# Altium PCB PCB1.PcbDoc
Units mm, origin at the board's own origin, x right, y up, seen from the top; angles counter-clockwise.
Board outline 41.76 x 58.17 mm, 2 copper layers (Top Layer, Bottom Layer); 63 components, 63 nets, 347 pads, 0 vias.
Unrouted connection lines stored in the file: 79.
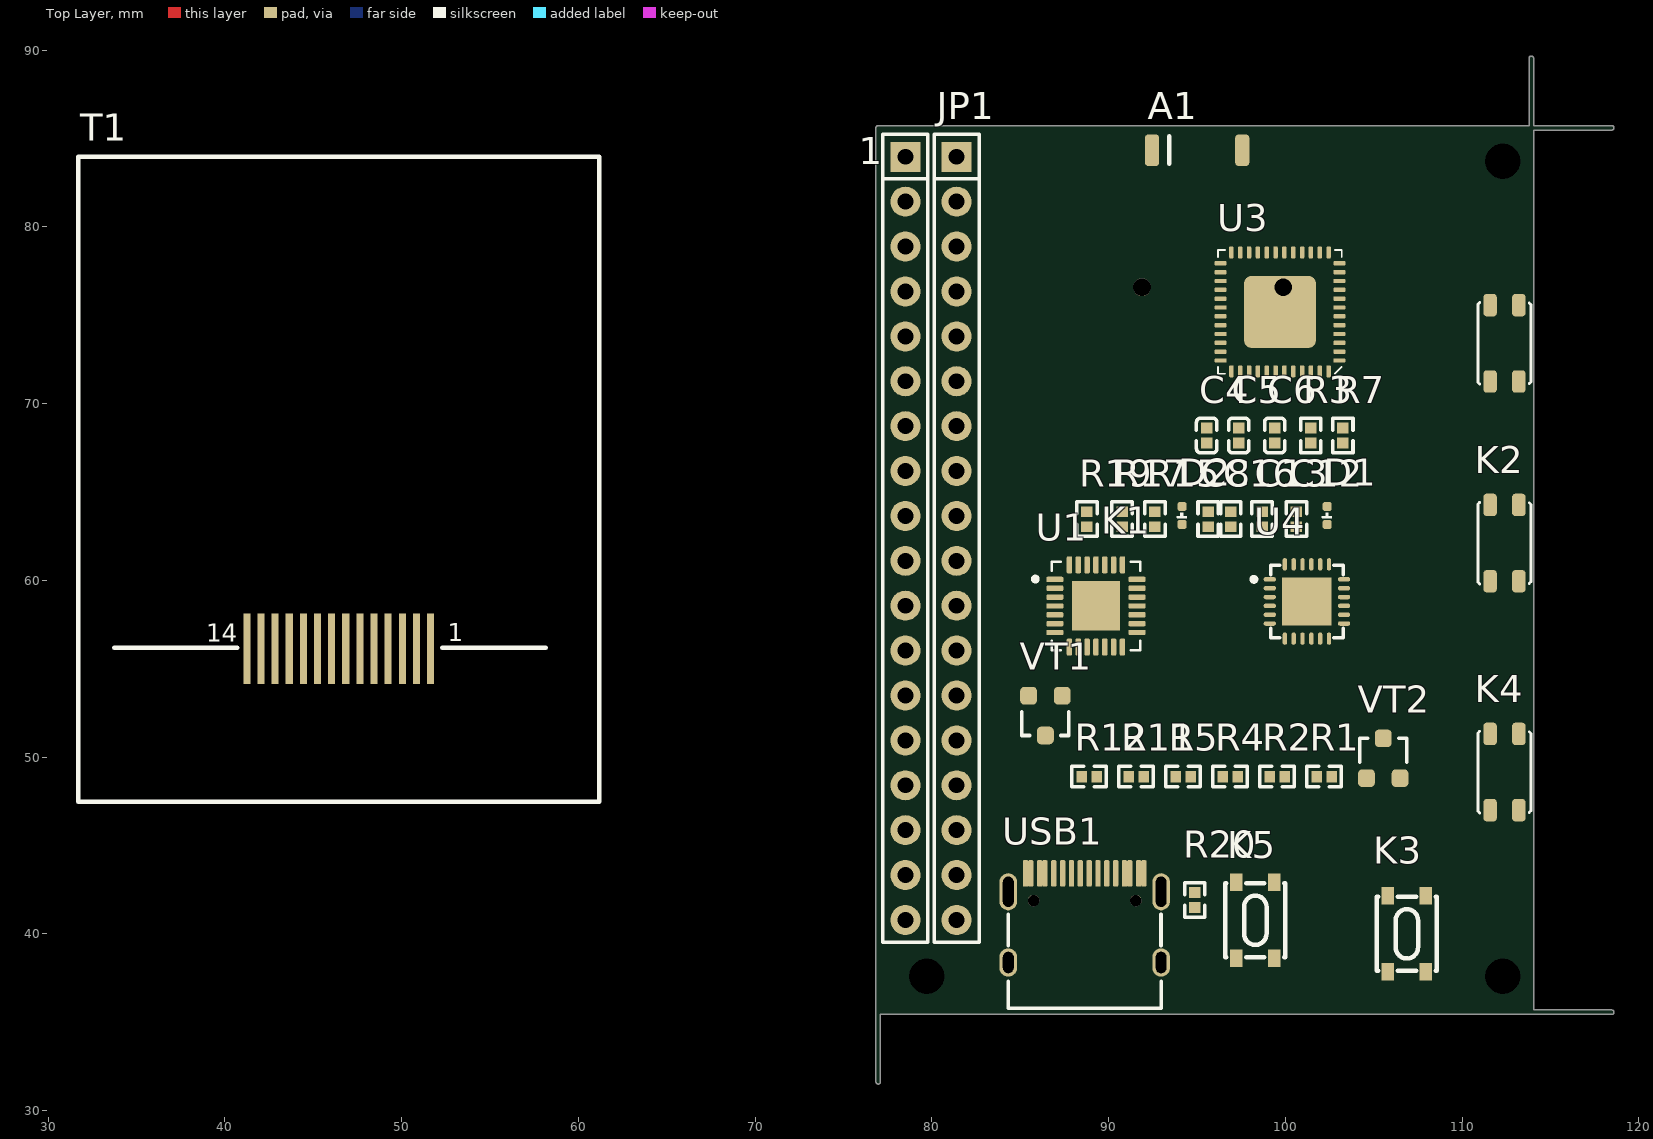
[diagram p0: Top Layer view]
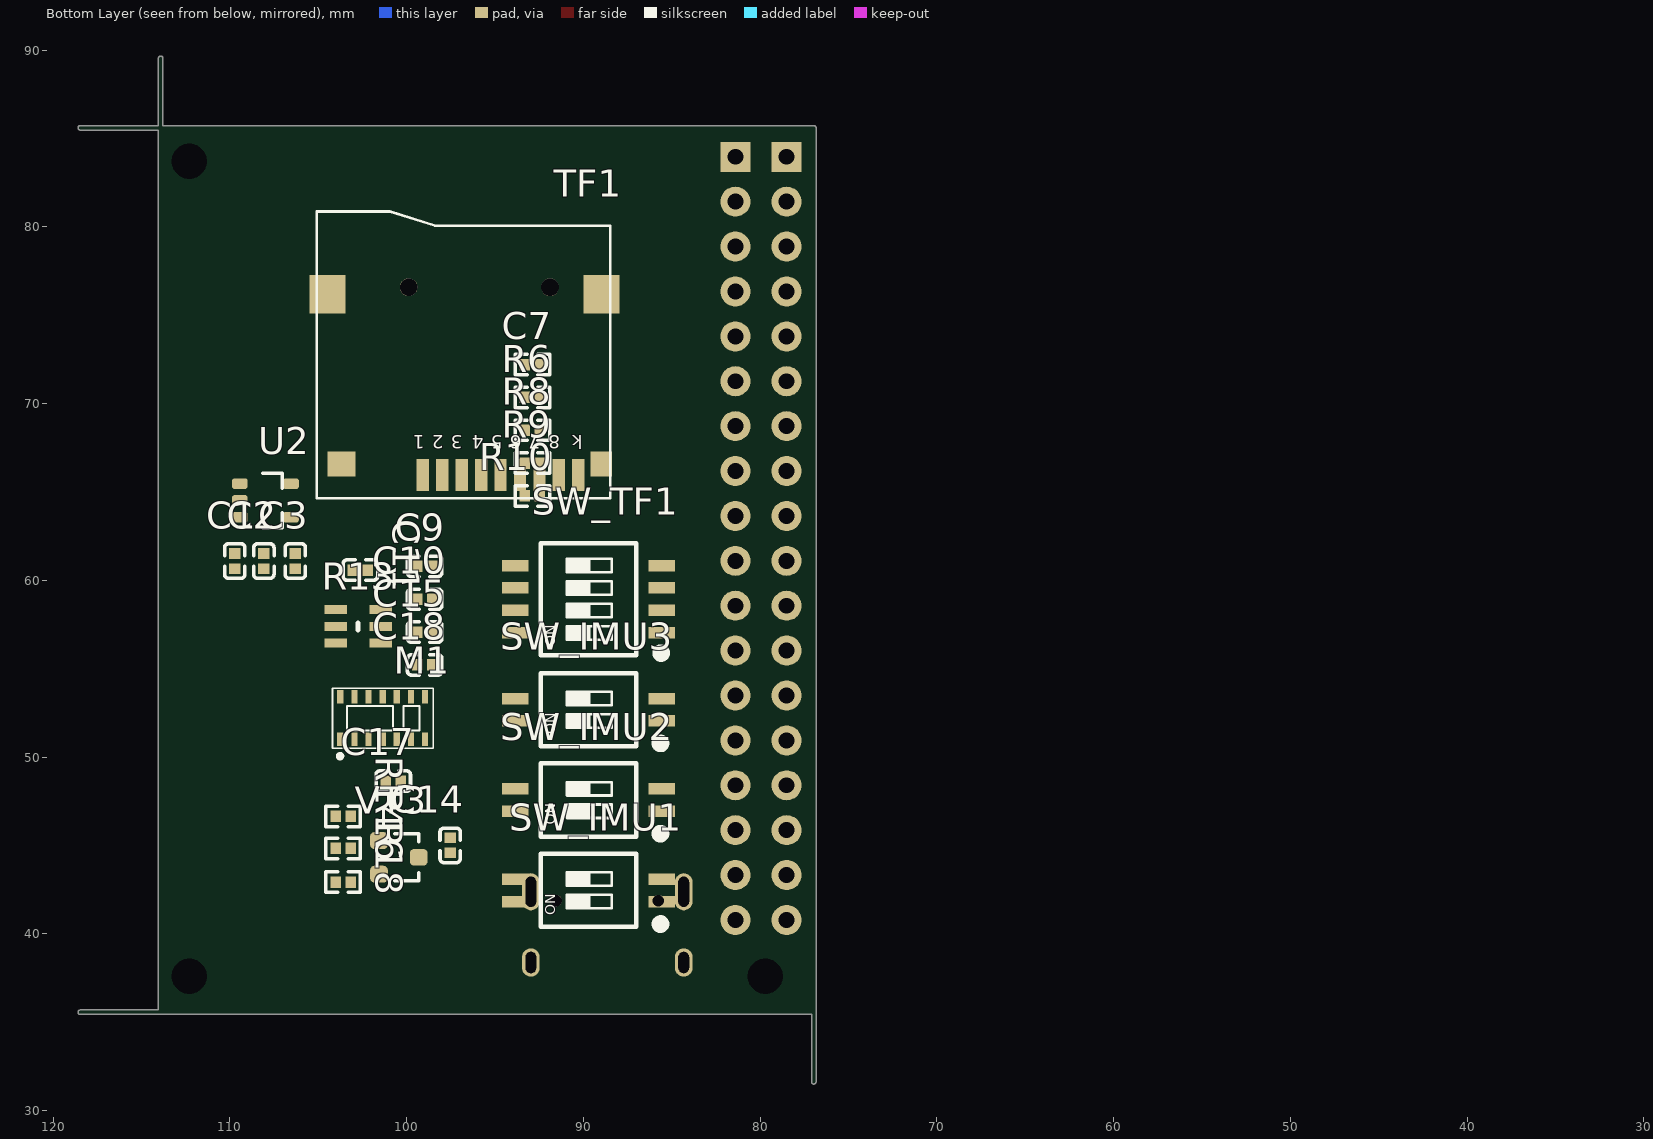
[diagram p1: Bottom Layer view, seen from below]

## Layer stack, top to bottom
Top Solder: solder mask 0.0102, Solder Resist, Dk 3.5
Top Layer: signal copper 0.0356
Dielectric 1: dielectric 0.32, FR-4, Dk 4.8
Bottom Layer: signal copper 0.0356
Bottom Solder: solder mask 0.0102, Solder Resist, Dk 3.5

## Board outline
76.835,31.623 ccw(c76.962,31.623) 77.089,31.623 77.089,35.433 118.465,35.433 ccw(c118.465,35.56) 118.592,35.56 ccw(c118.465,35.56) 118.465,35.687 114.046,35.687 114.046,85.471 118.465,85.471 ccw(c118.465,85.598) 118.592,85.598 ccw(c118.465,85.598) 118.465,85.725 114.046,85.725 114.046,89.535 ccw(c113.919,89.535) 113.792,89.535 113.792,85.725 76.962,85.725 ccw(c76.962,85.598) 76.835,85.598

## Design rules (kind name [scope] priority, off if disabled: settings)
Clearance [All] p1: gap=0.1 ignorepadtopadclearanceinfootprint=FALSE
PolygonConnect [All] p1: connectstyle=Relief reliefconductorwidth=0.254 reliefentries=4 polygonreliefangle="90 Angle" airgapwidth=0.254
RoutingVias [All] p1: holewidth=0.711 width=1.27 viastyle="Through Hole" minholewidth=0.711 minwidth=1.27 maxholewidth=0.711 maxwidth=1.27
SolderMaskExpansion [All] p1: expansion=0.102 istentingtop=FALSE
Width [All] p1: maxlimit=0.254 minlimit=0.254 preferedwidth=0.254
30 further rules are at their usual default settings.

## Components (designator, comment, footprint, x,y, rotation, side; value= is the part's Value field where it differs from the comment)
1 "HDR-1X18" HDR2.54-LI-18P 78.5,62.37 r270 top
A1 "RAINSUN" ANT-Rainsun-AN5120 94.996,84.328 r0 top
C1 "0.1uF" 0402_C 109.727,61.087 r90 bottom value=0.1u
C2 "10uF" 0402_C 108.077,61.087 r90 bottom value=0.1u
C3 "10nF" 0402_C 106.299,61.087 r90 bottom value=0.1u
C4 "10nF" 0402_C 95.545,68.191 r270 top value=0.1u
C5 "0.1uF" 0402_C 97.364,68.191 r270 top value=0.1u
C6 "0.1uF" 0402_C 99.398,68.191 r270 top value=0.1u
C7 "100nf" 0402_R 92.889,72.202 r0 bottom
C8 "10nF" 0402_R 95.631,63.456 r270 top value=0.1u
C9 "10uF (106) 10% 10V" 0402_C 98.977,60.786 r0 bottom
C10 "1uF (105) 10% 50V" 0402_C 98.977,58.928 r180 bottom
C11 "10uF (106) 10% 10V" 0402_C 102.616,60.579 r180 bottom
C12 "0.1uF" 0402_R 100.628,63.456 r270 top value=0.1u
C13 "2.2nF" 0402_R 98.679,63.456 r270 top value=0.1u
C14 "100nF (104) 10% 50V" 0402_C 97.536,45.002 r90 bottom
C15 "100nF (104) 10% 50V" 0402_C 98.977,57.07 r180 bottom
C16 "0.1uF" 0402_R 96.912,63.456 r270 top value=0.1u
C17 "100nF (104) 10% 50V" 0402_C 100.755,48.641 r180 bottom
C18 "10uF (106) 10% 10V" 0402_C 98.977,55.212 r0 bottom
D1 "color?" LED_0402_RED 102.362,63.667 r90 top
D2 "color?" LED_0402_RED 94.155,63.667 r90 top
JP1 "HDR-1X18" HDR2.54-LI-18P 81.4,62.37 r270 top
K1 "TACT 4P" ButtonTACT_3.5*3.55_90 112.395,73.406 r270 top value=3.4x3.5
K2 "TACT 4P" ButtonTACT_3.5*3.55_90 112.395,62.103 r270 top value=3.4x3.5
K3 "TACT 4P" SW-SMD_4P-L4.2-W3.3-P2.15-LS5.1 106.875,39.996 r90 top value=3.4x3.5
K4 "TACT 4P" ButtonTACT_3.5*3.55_90 112.395,49.149 r270 top value=3.4x3.5
K5 "TACT 4P" SW-SMD_4P-L4.2-W3.3-P2.15-LS5.1 98.298,40.767 r90 top value=3.4x3.5
M1 "MAX30102" MAX30102 101.346,51.936 r90 bottom
R1 "10K" 0402_R 102.19,48.895 r180 top value=22R
R2 "12K" 0402_R 99.532,48.895 r0 top value=22R
R3 "0R" 0402_R 101.432,68.191 r270 top value=22R
R4 "200R" 0402_R 96.874,48.895 r0 top value=22R
R5 "12K" 0402_R 94.216,48.895 r0 top value=22R
R6 "10K" 0402_R 92.889,70.344 r0 bottom
R7 "10K" 0402_R 103.251,68.191 r270 top value=22R
R8 "10K" 0402_R 92.889,68.486 r0 bottom
R9 "10K" 0402_R 92.889,66.628 r0 bottom
R10 "10K" 0402_R 92.889,64.77 r0 bottom
R11 "5.1K" 0402_R 91.558,48.895 r180 top value=22R
R12 "5.1K" 0402_R 88.9,48.895 r180 top value=22R
R13 "RCWL_9183" RCWL-9183 102.743,57.328 r270 bottom
R14 "4.7K" 0402_R 103.589,46.642 r0 bottom value=22R
R15 "10R" 0402_R 92.616,63.456 r90 top
R16 "4.7K" 0402_R 103.589,44.831 r0 bottom value=22R
R17 "1K" 0402_R 90.758,63.456 r90 top value=22R
R18 "4.7K" 0402_R 103.589,42.926 r0 bottom value=22R
R19 "1K" 0402_R 88.773,63.456 r90 top value=22R
R20 "1K" 0402_R 94.869,41.91 r90 top value=22R
SW_IMU1 "SW-2P" "SW1.27 SMD-2P" 89.703,42.455 r90 bottom
SW_IMU2 "SW-2P" "SW1.27 SMD-2P" 89.703,47.565 r90 bottom
SW_IMU3 "SW-2P" "SW1.27 SMD-2P" 89.703,52.675 r90 bottom
SW_TF1 "SW-4P" "SW1.27 SMD-4P" 89.703,58.928 r90 bottom
T1 "TFT177PF254" "TFT144PF254 - duplicate" 31.688,47.468 r0 top
TF1 "TF_Card" "Micro SD" 95.885,76.581 r0 bottom
U1 "CP2102" QFN-28 89.281,58.547 r0 top value=Value
U2 "LP2992 3V3" SOT23-5 107.936,64.517 r180 bottom
U3 "ESP32_SIP" QFN-48_7X7 99.695,75.184 r180 top
U4 "MPU6050" QFN-24 101.219,58.801 r0 top
USB1 "Type-C" Type-C-TOP 88.646,40.894 r270 top
VT1 "S8050" SMT_TRIODE_NPN 86.421,52.342 r180 top
VT2 "S8050" SMT_TRIODE_NPN 105.537,49.929 r0 top
VT3 "S8050" SMT_TRIODE_NPN 100.439,44.323 r270 bottom

## Footprints (in the part's own frame and the unit in brackets; to place one, negate y for a bottom-side part, rotate by r counter-clockwise, add the part's x,y. Pads: shape width x height; smd on the part's side, far side on the other; paste and mask are expansions set on the pad)
0402_C [mm]
  rect 0.6x0.65 smd mask+0.051: 1(-0.425,0) 2(0.425,0)
  silkscreen extent -0.98,-0.58 0.98,0.58, body extent -0.48,-0.3 0.52,0.3, height 0.2
0402_R [mm]
  rect 0.6x0.65 smd mask+0.051: 1(-0.425,0) 2(0.425,0)
  silkscreen extent -0.97,-0.57 0.98,0.58, body extent -0.57,-0.27 0.58,0.28, height 0.41
ANT-Rainsun-AN5120 [mm]
  rrect50% 0.8x1.8 smd: 1(-2.54,0) ""(2.563,0)
  silkscreen extent -1.57,-0.76 -1.57,0.79, body extent -2.57,-0.91 2.54,0.94, height 1.32
ButtonTACT_3.5*3.55_90 [mil]
  rrect50% 50x30 smd: 1(-85,32) 2(-85,-32) 3(85,32) 4(85,-32)
  silkscreen extent -91,-59 91,59, body extent -90,-55 91,85, height 56
HDR2.54-LI-18P [mm] "排针，18脚"
  rect 1.7x1.7 hole 0.9: 1(-21.59,0)
  round 1.7 hole 0.9: 2(-19.05,0) 3(-16.51,0) 4(-13.97,0) 5(-11.43,0) 6(-8.89,0) 7(-6.35,0) 8(-3.81,0) 9(-1.27,0) 10(1.27,0) 11(3.81,0) 12(6.35,0) 13(8.89,0) 14(11.43,0) 15(13.97,0) 16(16.51,0) 17(19.05,0) 18(21.59,0)
  silkscreen extent -22.86,-1.27 22.86,1.27, body extent -22.86,-1.27 22.86,1.27, height 2.54
LED_0402_RED [mil]
  rrect50% 20x20 smd: 1(-20,0) 2(20,0)
  silkscreen extent -6,-10 6,10, body extent -20,-10 20,10, height 18
MAX30102 [mm]
  rect 0.75x0.35 smd: 1(-0.93,2.408) 2(-0.93,1.608) 3(-0.93,0.808) 4(-0.93,0.008) 5(-0.93,-0.792) 6(-0.93,-1.592) 7(-0.93,-2.392) 8(1.47,-2.392) 9(1.47,-1.592) 10(1.47,-0.792) 11(1.47,0.008) 12(1.47,0.808) 13(1.47,1.608) 14(1.47,2.408)
  silkscreen extent -2.01,-2.85 1.96,2.85
"Micro SD" [mm] "淘宝ID:黄晶宝石"
  round 1 hole 1 unplated: 0(-4,0) 0(4,0)
  rect 0.7x1.8 smd: 1(3.2,10.627) 2(2.1,10.627) 3(1,10.627) 4(-0.1,10.627) 5(-1.2,10.627) 6(-2.3,10.627) 7(-3.4,10.627) 8(-4.5,10.627) 9(-5.6,10.627)
  rect 2.032x2.2 smd: 10(-6.9,0.4) 10(8.6,0.4)
  rect 1.2x1.4 smd: 10(-6.9,10)
  rect 1.6x1.4 smd: 10(7.8,10)
  silkscreen extent -7.4,-4.28 9.2,11.94, body extent -7.05,-3.87 8.95,11.38, height 2
QFN-24 [mm]
  oval 0.7x0.25 smd: 1(-2.1,1.25) 2(-2.1,0.75) 3(-2.1,0.25) 4(-2.1,-0.25) 5(-2.1,-0.75) 6(-2.1,-1.25) 13(2.1,-1.25) 14(2.1,-0.75) 15(2.1,-0.25) 16(2.1,0.25) 17(2.1,0.75) 18(2.1,1.25)
  oval 0.25x0.7 smd: 7(-1.25,-2.1) 8(-0.75,-2.1) 9(-0.25,-2.1) 10(0.25,-2.1) 11(0.75,-2.1) 12(1.25,-2.1) 19(1.25,2.1) 20(0.75,2.1) 21(0.25,2.1) 22(-0.25,2.1) 23(-0.75,2.1) 24(-1.25,2.1)
  rect 2.8x2.7 smd: ""(0,0)
  silkscreen extent -3.12,-2.05 2.05,2.05, body extent -2.02,-2.02 2.02,2.02, height 0.95
QFN-28 [mil]
  rrect50% 38x12 smd mask+5: 1(-91.5,59.06) 2(-91.5,39.37) 3(-91.5,19.69) 4(-91.5,0) 5(-91.5,-19.68) 6(-91.5,-39.37) 7(-91.5,-59.05) 15(91.5,-59.05) 16(91.5,-39.37) 17(91.5,-19.68) 18(91.5,0) 19(91.5,19.69) 20(91.5,39.37) 21(91.5,59.06)
  rrect50% 12x38 smd mask+5: 8(-59.06,-91.5) 9(-39.37,-91.5) 10(-19.68,-91.5) 11(0,-91.5) 12(19.69,-91.5) 13(39.37,-91.5) 14(59.06,-91.5) 22(59.06,91.5) 23(39.37,91.5) 24(19.69,91.5) 25(0,91.5) 26(-19.68,91.5) 27(-39.37,91.5) 28(-59.06,91.5)
  rect 106.3x110.24 smd: 29(0,0)
  silkscreen extent -140,-98 98,98, body extent -98,-98 98,98, height 35
QFN-48_7X7 [mm]
  rrect50% 0.675x0.25 smd: 1(-3.363,2.75) 2(-3.363,2.25) 3(-3.363,1.75) 4(-3.363,1.25) 5(-3.363,0.75) 6(-3.363,0.25) 7(-3.363,-0.25) 8(-3.363,-0.75) 9(-3.363,-1.25) 10(-3.363,-1.75) 11(-3.363,-2.25) 12(-3.363,-2.75) 25(3.363,-2.75) 26(3.363,-2.25) 27(3.363,-1.75) 28(3.363,-1.25) 29(3.363,-0.75) 30(3.363,-0.25) 31(3.363,0.25) 32(3.363,0.75) 33(3.363,1.25) 34(3.363,1.75) 35(3.363,2.25) 36(3.363,2.75)
  rrect50% 0.25x0.675 smd: 13(-2.75,-3.363) 14(-2.25,-3.363) 15(-1.75,-3.363) 16(-1.25,-3.363) 17(-0.75,-3.363) 18(-0.25,-3.363) 19(0.25,-3.363) 20(0.75,-3.363) 21(1.25,-3.363) 22(1.75,-3.363) 23(2.25,-3.363) 24(2.75,-3.363) 37(2.75,3.363) 38(2.25,3.363) 39(1.75,3.363) 40(1.25,3.363) 41(0.75,3.363) 42(0.25,3.363) 43(-0.25,3.363) 44(-0.75,3.363) 45(-1.25,3.363) 46(-1.75,3.363) 47(-2.25,3.363) 48(-2.75,3.363)
  rrect20% 4.064x4.064 smd: 49(0,0)
  silkscreen extent -3.5,-3.5 3.5,3.5, body extent -3.5,-3.5 3.5,3.5, height 1
RCWL-9183 [mil]
  rect 20x50 smd: 1(-40,-50) 2(-2,-50) 3(35,-50) 4(35,50) 5(-2,50) 6(-40,50)
  silkscreen extent -10,0 5,0
SMT_TRIODE_NPN [mm]
  rrect50% 0.95x1 smd: 1(-0.95,-1.125) 2(0.95,-1.125) 3(0,1.125)
  silkscreen extent -1.33,-0.22 1.33,1.13, body extent -1.45,-1.4 1.45,1.4, height 1.3
SOT23-5 [mm]
  rrect50% 0.889x0.6 smd: 1(-1.5,0.95) 2(-1.5,0) 3(-1.5,-0.95) 4(1.396,-0.95) 5(1.396,0.95)
  silkscreen extent -0.2,-1.55 0.9,1.55, body extent -1.48,-1.45 1.32,1.45, height 1.2
"SW1.27 SMD-2P" [mm] "长：4.14mm，宽：5.4mm，高：2.3mm"
  rect 0.65x1.5 smd: 1(-0.635,-4.15) 2(0.635,-4.15) 3(0.635,4.15) 4(-0.635,4.15)
  silkscreen extent -2.15,-4.31 2.07,2.7, body extent -2.07,-4.35 2.07,4.35, height 2.35
"SW1.27 SMD-4P" [mm] "长：6.68mm，宽：5.4mm，高：2.3mm"
  rect 0.65x1.5 smd: 1(-1.905,-4.15) 2(-0.635,-4.15) 3(0.635,-4.15) 4(1.905,-4.15) 5(1.905,4.15) 6(0.635,4.15) 7(-0.635,4.15) 8(-1.905,4.15)
  silkscreen extent -3.3,-4.35 3.17,2.7, body extent -3.34,-4.35 3.34,4.35, height 2.35
SW-SMD_4P-L4.2-W3.3-P2.15-LS5.1 [mm]
  rect 1x0.7 smd: 1(-2.15,1.075) 2(2.15,1.075) 3(-2.15,-1.075) 4(2.15,-1.075)
  silkscreen extent -2.1,-1.7 2.1,1.7
"TFT144PF254 - duplicate" [mm]
  rect 0.4x4 smd: 1(19.95,8.666) 2(19.15,8.666) 3(18.35,8.666) 4(17.55,8.666) 5(16.75,8.666) 6(15.95,8.666) 7(15.15,8.666) 8(14.35,8.666) 9(13.55,8.666) 10(12.75,8.666) 11(11.95,8.666) 12(11.15,8.666) 13(10.35,8.666) 14(9.55,8.666)
  silkscreen extent 0,0 29.5,36.5
Type-C-TOP [mm]
  round 0.65 hole 0.65: 0(-0.98,2.89) 0(-0.98,-2.89)
  oval 1.6x1 hole 0.6 slot 1.2 at 0 deg: 1(2.52,4.325) 2(2.52,-4.325)
  oval 2.1x1 hole 0.6 slot 1.7 at 0 deg: 3(-1.48,-4.325) 4(-1.48,4.325)
  rrect50% 1.5x0.3 smd: A1(-2.52,-3.35) A4(-2.52,-2.55) A5(-2.52,-1.25) A6(-2.52,-0.25) A7(-2.52,0.25) A8(-2.52,1.25) A9(-2.52,2.55) A12(-2.52,3.35) B1(-2.52,3.05) B4(-2.52,2.25) B5(-2.52,1.75) B6(-2.52,0.75) B7(-2.52,-0.75) B8(-2.52,-1.75) B9(-2.52,-2.25) B12(-2.52,-3.05)
  silkscreen extent -0.22,-4.33 5.12,4.33, body extent -2.57,-4.48 5.18,4.48, height 3.26

## Part data
1 JP1: library part "Header 18", "18P接插件", BOM名称=18P接插件, 封装库来自淘宝卖家 ID：黄晶宝石=其他店铺购入均为盗版假冒封装库, 联系卖家，免费查找封装=唯一出售店铺网址https://shop463601444.taobao.com
A1: library part ANT-Rainsun-AP5120
C1 C2 C3 C8 C12 C13 C16: library part 电容-0402, "Capacitor"
C4: library part 电容-0402_2, "Capacitor"
C5 C6: library part 电容-0402_1, "Capacitor"
C7: library part C, "Capacitor", BOM名称=无极性贴片电容, 封装库来自淘宝卖家ID：黄晶宝石=其他店铺购入均为盗版假冒封装库，请立即申请退款, 联系卖家，免费查找封装=唯一出售店铺网址https://shop463601444.taobao.com
C9 C11 C18: library part "0603 10uF (106) 10% 10V", "贴片电容", Package=0603, SuppliersPartNumber=C19702, ComponentLink1Description=供应商链接, ComponentLink1URL=http://www.szlcsc.com/product/details_20411.html, Supplier=LC
C10: library part "0603 1uF (105) 10% 50V", "贴片电容", Package=0603, SuppliersPartNumber=C15849, ComponentLink1Description=供应商链接, ComponentLink1URL=http://www.szlcsc.com/product/details_16531.html, Supplier=LC
C14 C15 C17: library part "0603 100nF (104) 10% 50V", "贴片电容", Package=0603, SuppliersPartNumber=C14663, ComponentLink1Description=供应商链接, ComponentLink1URL=http://www.szlcsc.com/product/details_15331.html, Supplier=LC
D1 D2: library part LED_0402, "LED", Type=0402
K1 K2 K3 K4 K5: library part ButtonTACT, "Button", Type="TACT 4P"
R1 R7: library part 电阻-0402_1, "Resistor"
R2 R5 R17 R19 R20: library part 电阻-0402, "Resistor"
R3: library part 电阻-0402_3, "Resistor"
R4: library part 电阻-0402_2, "Resistor"
R6 R8 R9 R10: library part R, "贴片电阻", BOM名称=贴片电阻, 封装库来自淘宝卖家ID：黄晶宝石=其他店铺购入均为盗版假冒封装库，请立即申请退款, 联系卖家，免费查找封装=唯一出售店铺网址https://shop463601444.taobao.com
R11 R12: library part 电阻-0402_7, "Resistor"
R14 R16 R18: library part 电阻-0402_6, "Resistor"
R15: library part 电阻-0402_9, "Resistor"
SW_IMU1 SW_IMU2 SW_IMU3: "2路编码开关", BOM名称=2路编码开关, 联系卖家，免费查找封装=唯一出售店铺网址https://shop463601444.taobao.com
SW_TF1: "4路编码开关", BOM名称=4路编码开关, 联系卖家，免费查找封装=唯一出售店铺网址https://shop463601444.taobao.com
TF1: "TF卡座", BOM名称=TF卡座, 联系卖家，免费技术支持=唯一出售店铺网址https://shop463601444.taobao.com
U1: "USB转TTL", MFG #1="SILICON LABS", PART DESC="SINGLE-CHIP USB TO UART BRIDGE, QFN28, RoHS.", PART NUMBER=CP2102, RefDes=RefDes, Type=DEV
U2: library part LP2992, "LDO"
U3: library part ESP32-PICO
U4: "六轴传感器"
USB1: library part USB-Type-C-TOP
VT1 VT2: library part SMT_TRIODE_NPN, "Surface mount NPN transistor, package SOT-23"
VT3: library part 65k5, "Surface mount NPN transistor, package SOT-23"

## Free pads (board coordinates)
  round 1.524 hole 2: 2(79.7,37.6) 2(112.3,37.6) 2(112.3,83.7)

## Nets (pads, with @x,y where several pads share a name; then routed paths per layer and width w, separated by ;. In a path a pad name is that pad's centre, name@x,y a point inside that pad or via, vN(x,y) a via of type N, cw(c..) or ccw(c..) an arc to the next point about the centre after c; other vN are vias at no path point)
3V3: C7.2 R6.2 R8.2 R9.2 R10.2 TF1.4
3V3A: A1.1 C4.2 C5.2 R3.1 R7.2 U3.1 U3.2 U3.3 U3.4 U3.19 U3.37 U3.43 U3.47
CP_Rx: U1.25 U3.41
CP_Tx: R4.2 U3.40
DTR: R2.2 U1.28 VT2.2
EN: C6.2 R7.1 R20.2 U3.9 VT1.3
GND: 1.15 1.16 1.17 1.18 C1.1 C2.1 C3.1 C4.1 C5.1 C6.1 C7.1 C8.2 C9.2 C11.1 C12.2 C13.1 C14.2 C15.1 C16.1 C17.2 C18.2 D2.2 K1.1 K1.3 K2.1 K2.3 K3.1 K3.3 K4.1 K4.3 K5.1 K5.3 M1.4 M1.10 R11.2 R12.2 R13.2 T1.2 T1.3 T1.5 T1.13 TF1.6 TF1.10 U1.3 U1.29 U2.2 U4.1 U4.9 U4.11 U4.18 USB1.1 USB1.2 USB1.3 USB1.4 USB1.A1 USB1.A12 USB1.B1 USB1.B12 VT3.1
GPIO0: 1.10 K2.2 K2.4 U3.23 VT2.3
GPIO2: 1.9 K1.2 K1.4 U3.22
GPIO4: JP1.16 K4.2 K4.4 U3.24
GPIO5: 1.8 U3.34
GPIO9: JP1.9 U3.28
GPIO10: JP1.8 U3.29
GPIO12: 1.7 SW_IMU1.1 SW_IMU1.4 T1.8 U3.18
GPIO13: JP1.15 K5.2 K5.4 SW_TF1.7 U3.20
GPIO14: JP1.14 SW_IMU1.2 SW_IMU1.3 SW_TF1.6 T1.9 U3.17
GPIO15: JP1.13 SW_TF1.8 T1.12 U3.21
GPIO18: JP1.7 U3.35
GPIO19: JP1.6 M1.9 R18.2 U3.38
GPIO21: JP1.5 SW_IMU2.4 SW_IMU3.4 U3.42
GPIO22: JP1.4 SW_IMU2.3 SW_IMU3.3 U3.39
GPIO23: JP1.3 U3.36
GPIO25: JP1.2 T1.6 U3.14
GPIO26: JP1.1 SW_TF1.5 T1.7 U3.15
GPIO27: D1.2 JP1.12 R15.1 U3.16
GPIO32: JP1.11 U3.12
GPIO33: JP1.10 U3.13
GPIO34: 1.6 U3.10
GPIO35: 1.5 U3.11
GPIO37: 1.2 U3.6
GPIO38: 1.3 U3.7
LEDA: R15.2 T1.4
MAX_SCL: M1.2 R14.1 SW_IMU3.2
MAX_SDA: M1.3 R16.1 SW_IMU3.1
MPU_SCL: SW_IMU2.2 U4.23
MPU_SDA: SW_IMU2.1 U4.24
NetC3_2: C3.2 U2.4
NetC10_1: C10.1 R13.4
NetC10_2: C10.2 R13.6
NetC11_2: C11.2 C15.2 M1.12 M1.13 R13.1 R14.2 R16.2 R18.1 VT3.2
NetC12_1: C12.1 U4.10
NetC13_2: C13.2 U4.20
NetC17_1: C17.1 C18.1 M1.11 VT3.3
NetD1_1: D1.1 R17.2
NetD2_1: D2.1 R19.2
NetK3_2: K3.2 K3.4 R20.1
NetR1_1: R1.1 U1.9
NetR2_1: R2.1 VT1.1
NetR4_1: R4.1 U1.26
NetR5_1: R5.1 VT2.1
NetR11_1: R11.1 USB1.A5
NetR12_1: R12.1 USB1.B5
RTS: R5.2 U1.24 VT1.2
SD_CLK: R9.1 SW_TF1.3 TF1.5
SD_CS: R10.1 SW_TF1.1 TF1.2
SD_MISO: R6.1 SW_TF1.4 TF1.7
SD_MOSI: R8.1 SW_TF1.2 TF1.3
SENSOR_VN: 1.4 U3.8
SENSOR_VP: 1.1 U3.5
USB-PWR-DM: U1.5 USB1.A7
USB-PWR-DP: U1.4 USB1.A6 USB1.B6 USB1.B7
VBUS: 1.13 1.14 R1.2 U1.7 U1.8 U2.1 U2.3 USB1.A4 USB1.A9 USB1.B4 USB1.B9
VCC_3V3: 1.11 1.12 C1.2 C2.2 C8.1 C9.1 C14.1 C16.2 R3.2 R13.3 R13.5 R17.1 R19.1 T1.10 T1.11 U2.5 U4.8 U4.13
pads on no net: A1. JP1.17 JP1.18 M1.1 M1.5 M1.6 M1.7 M1.8 M1.14 T1.1 T1.14 TF1.0 TF1.1 TF1.8 TF1.9 U1.1 U1.2 U1.6 U1.10 U1.11 U1.12 U1.13 U1.14 U1.15 U1.16 U1.17 U1.18 U1.19 U1.20 U1.21 U1.22 U1.23 U1.27 U3.25 U3.26 U3.27 U3.30 U3.31 U3.32 U3.33 U3.44 U3.45 U3.46 U3.48 U3.49 U4. U4.2 U4.3 U4.4 U4.5 U4.6 U4.7 U4.12 U4.14 U4.15 U4.16 U4.17 U4.19 U4.21 U4.22 USB1.0 USB1.A8 USB1.B8

## Silkscreen, mask and mechanical layers (free items; w line width, h text height)
Mechanical 1:
  lines w0.254: 76.962,31.623 76.962,85.598 118.465,85.598 ; 76.962,35.56 118.465,35.56 ; 113.919,35.56 113.919,89.535

## Dimensions
118.465,85.598 to 118.465,35.56 on Mechanical 1
76.962,31.623 to 113.919,35.56 on Mechanical 1

## Text inside footprints (layer, text, board x,y; h text height)
SW_IMU1: Bottom Overlay "ON" at 91.399,41.058 h1 r270
SW_IMU2: Bottom Overlay "ON" at 91.399,46.168 h1 r270
SW_IMU3: Bottom Overlay "ON" at 91.399,51.278 h1 r270
SW_TF1: Bottom Overlay "ON" at 91.399,56.261 h1 r270
T1: Top Overlay "14" at 38.947,56.53 h1.02; Top Overlay "1" at 52.61,56.545 h1.02
TF1: Bottom Overlay "k" at 90.043,68.199 h0.76 r180; Bottom Overlay "8" at 91.313,68.199 h0.76 r180; Bottom Overlay "7" at 92.43,68.199 h0.76 r180; Bottom Overlay "6" at 93.497,68.199 h0.76 r180; Bottom Overlay "5" at 94.564,68.199 h0.76 r180; Bottom Overlay "4" at 95.631,68.199 h0.76 r180; Bottom Overlay "3" at 96.824,68.199 h0.76 r180; Bottom Overlay "2" at 97.891,68.199 h0.76 r180; Bottom Overlay "1" at 98.983,68.199 h0.76 r180